# Altium PCB MB1635.PcbDoc (part 7 of 10)
Units mm, origin at the board's own origin, x right, y up, seen from the top; angles counter-clockwise.
Board outline 127 x 97 mm, 6 copper layers (Top Layer, Signal Layer 1, Signal Layer 2, Signal Layer 3, Signal Layer 4, Bottom Layer), stack 1.557 mm thick; 593 components, 478 nets, 2435 pads, 1743 vias.
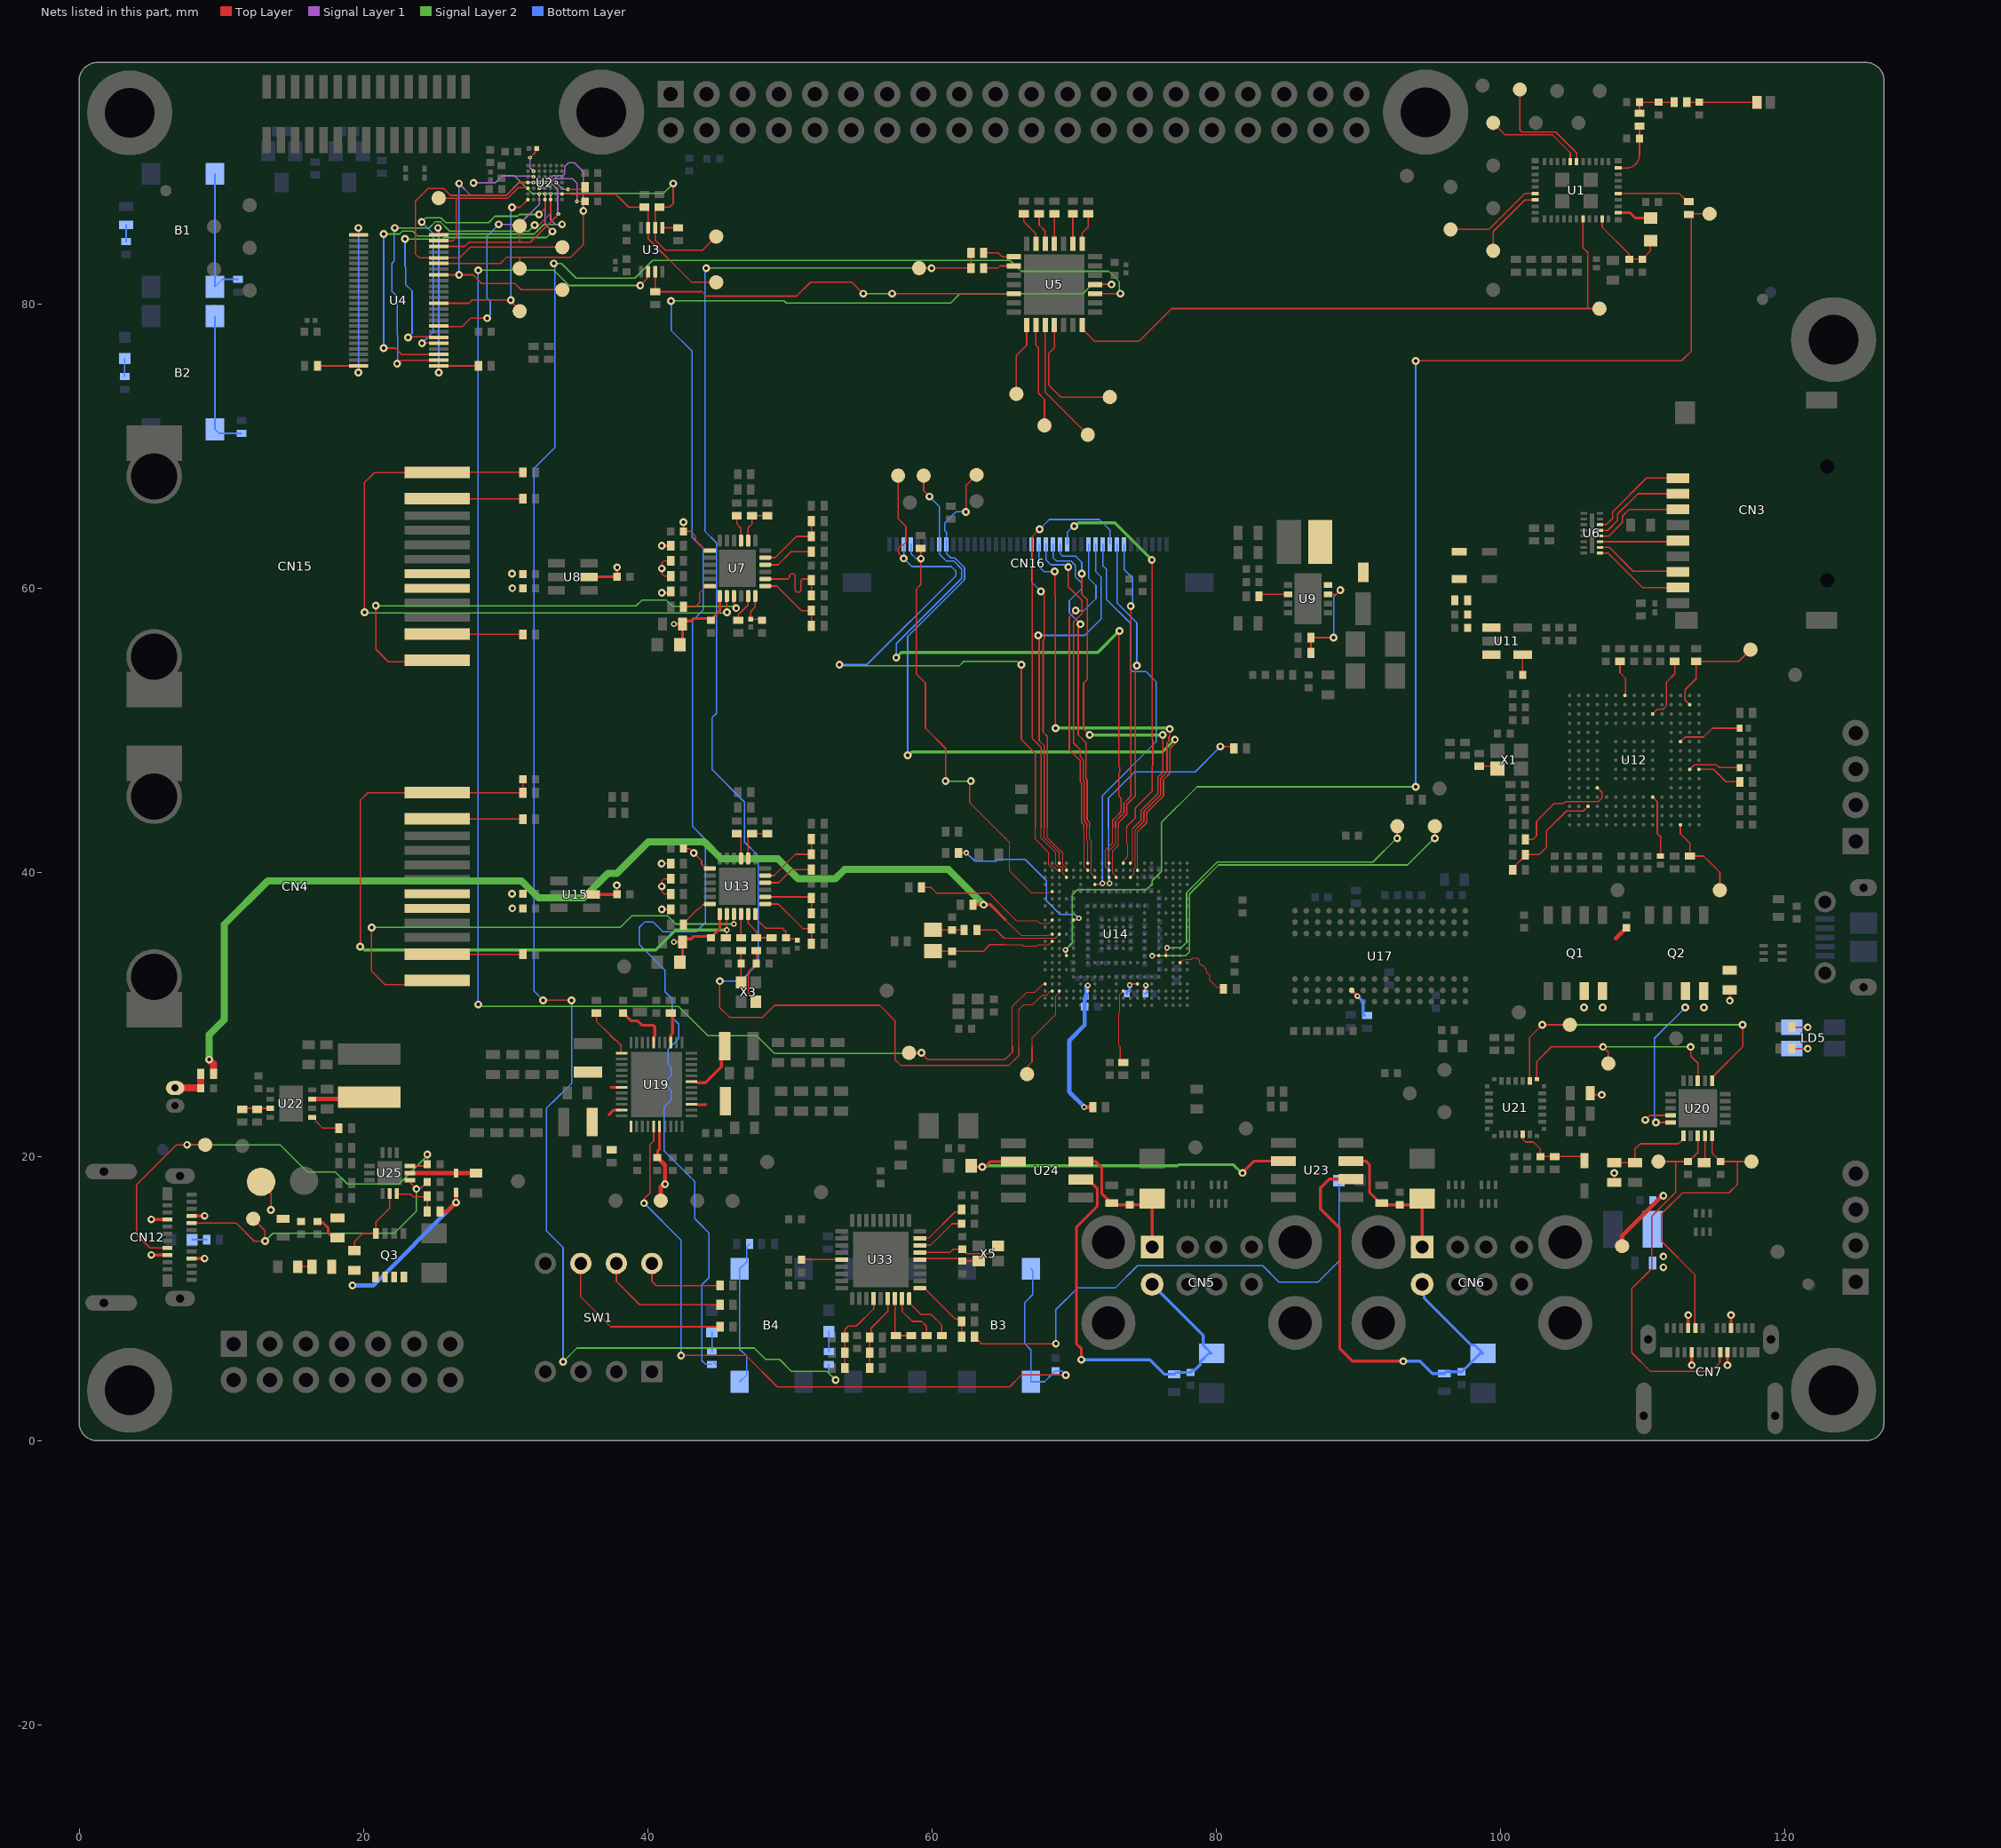
[diagram p11: the nets of this part, all layers, seen from the top]

## Via types
v1: diameter 0.55, hole 0.25, Top Layer to Bottom Layer, 1438 vias
v2: diameter 0.4, hole 0.2, Top Layer to Bottom Layer, 276 vias
v3: diameter 0.26, hole 0.1, Top Layer to Signal Layer 1, tented both sides, 29 vias

## Nets (pads, with @x,y where several pads share a name; then routed paths per layer and width w, separated by ;. In a path a pad name is that pad's centre, name@x,y a point inside that pad or via, vN(x,y) a via of type N, cw(c..) or ccw(c..) an arc to the next point about the centre after c; other vN are vias at no path point) (continued)
LCD_G2: CN16.15 U14.A12 | length 30.4
  Top Layer w0.075: U14.A12@73.475,40.65 73.475,40.775 73.795,41.095 73.795,41.955 73.725,42.025 73.725,43.125
  Top Layer w0.1: 73.725,43.125 73.725,43.249 74.325,43.849 74.325,44.538 75.5,45.713 75.5,47.497 75.55,47.547 75.55,49.33 75.5,49.38 75.5,61.975 v1(75.475,62)
  Signal Layer 2 w0.219: v1(70.025,64.375) 70.094,64.375 70.319,64.6 72.875,64.6 v1(75.475,62)
  Bottom Layer w0.1: CN16.15@69.525,63.1 69.525,63.928 69.972,64.375 v1(70.025,64.375)
LCD_G3: CN16.16 U14.A13 | length 30.2
  Top Layer w0.075: U14.A13@73.975,40.65 74.135,40.81 74.135,43.086 74.174,43.125
  Top Layer w0.1: v1(70.55,61.025) 70.55,59.576 70.937,59.189 70.937,53.587 70.675,53.325 70.675,50.1 v1(71.1,49.675) ; 74.174,43.125 74.25,43.201 74.25,43.208 74.725,43.683 74.725,44.372 75.9,45.547 75.9,46.691 76.25,47.041 v1(76.25,49.675)
  Signal Layer 2 w0.219: v1(71.1,49.675) v1(76.25,49.675)
  Bottom Layer w0.1: CN16.16@69.025,63.1 69.025,62.434 69.2,62.259 70.115,62.259 70.55,61.825 v1(70.55,61.025)
LCD_G4: CN16.17 U14.C8 | length 26.1
  Top Layer w0.075: 71.1,43.125 71.1,42.35 71.221,42.229 71.221,40.752 71.221,40.048 71.221,39.904 U14.C8@71.475,39.65
  Top Layer w0.1: v1(70.45,57.475) 70.45,57.416 70.3,57.266 70.3,49.675 70.853,49.122 70.853,49.06 70.85,49.058 70.85,46.566 70.925,46.491 70.925,43.699 71.1,43.524 71.1,43.125
  Bottom Layer w0.1: CN16.17@68.525,63.1 68.525,62.15 68.75,61.925 69.776,61.925 70.1,61.601 70.1,60.807 70.55,60.357 70.55,59.992 69.675,59.117 69.675,58.25 v1(70.45,57.475)
LCD_G5: CN16.18 U14.A7 | length 24.8
  Top Layer w0.075: 70.9,43.125 70.9,42.225 70.975,42.15 U14.A7@70.975,40.65
  Top Layer w0.1: v1(69.6,61.5) 69.6,60.105 70.575,59.13 70.575,58.225 69.975,57.625 69.975,49.1 70.45,48.625 70.45,48.133 70.65,47.933 70.65,46.483 70.725,46.408 70.725,43.616 70.9,43.441 70.9,43.125
  Bottom Layer w0.1: CN16.18@68.025,63.1 68.025,62 68.375,61.65 69.328,61.65 69.478,61.5 v1(69.6,61.5)
LCD_G6: CN16.19 U14.C13 | length 33.6
  Top Layer w0.075: U14.C13@73.975,39.65 74.221,39.897 74.221,40.296 74.305,40.38 74.305,42.98 74.45,43.125
  Top Layer w0.1: v1(68.65,61.175) 68.65,59.53 68.7,59.48 v1(68.7,50.15) ; 74.45,43.125 74.925,43.6 74.925,44.289 76.1,45.464 76.1,46.608 76.55,47.058 76.55,49.1 76.675,49.225 76.675,49.526 76.744,49.595 v1(76.744,50.1)
  Signal Layer 2 w0.219: v1(68.7,50.15) 68.725,50.175 76.58,50.175 76.655,50.1 v1(76.744,50.1)
  Bottom Layer w0.1: CN16.19@67.525,63.1 67.525,61.53 67.88,61.175 v1(68.65,61.175)
LCD_G7: CN16.20 U14.B4 | length 24.1
  Top Layer w0.075: 68.125,43.125 68.125,42.46 69.225,41.36 69.225,40.55 69.464,40.311 69.464,40.161 U14.B4@69.475,40.15
  Top Layer w0.1: v1@67.655,59.795 67.655,59.74 67.903,59.491 67.903,56.43 67.828,56.355 67.828,49.872 68.125,49.575 68.125,43.125
  Bottom Layer w0.1: CN16.20@67.025,63.1 67.025,60.425 v1(67.675,59.775)
LCD_HSYNC: CN16.32 TP43.1 U14.B14 | length 53
  Top Layer w0.075: U14.B14@74.475,40.15 74.475,42.85 74.75,43.125
  Top Layer w0.1: v1(62.4,65.375) 62.4,67.23 TP43.1@63.145,67.975 ; 74.75,43.125 75.125,43.5 75.125,44.206 76.3,45.381 76.3,46.525 76.75,46.975 76.75,48.7 77.1,49.05 v1(77.1,49.35)
  Signal Layer 2 w0.219: v1(58.3,48.25) 58.369,48.25 58.594,48.475 76.225,48.475 v1(77.1,49.35)
  Bottom Layer w0.1: v1(58.3,48.25) 58.3,56.6 62.3,60.6 62.3,61.441 61.616,62.125 61.34,62.125 61.025,62.44 CN16.32@61.025,63.1 61.025,63.949 60.9,64.074 60.9,64.565 61.71,65.375 v1(62.4,65.375)
LCD_INT: CN16.38 TP42.1 U14.B3 | length 51.5
  Top Layer w0.075: 67.275,43.125 67.275,42.348 68.225,41.398 68.225,40.55 68.35,40.425 68.351,40.425 68.373,40.404 68.571,40.404 68.825,40.15 U14.B3@68.975,40.15
  Top Layer w0.1: TP42.1@57.625,67.925 57.625,64.904 58.175,64.353 58.175,63.225 57.955,63.005 57.855,63.005 57.65,62.8 57.671,62.779 57.671,62.454 v1(58.025,62.1) ; v1(66.3,54.625) 66.3,49.35 67.278,48.372 67.278,43.343 67.275,43.34 67.275,43.125
  Signal Layer 2 w0.1: v1(53.5,54.625) 53.575,54.55 61.95,54.55 62.25,54.85 66.016,54.85 66.241,54.625 v1(66.3,54.625)
  Bottom Layer w0.1: v1(53.5,54.625) 55.442,54.625 61.7,60.883 61.7,61.192 61.367,61.525 58.6,61.525 v1(58.025,62.1) CN16.38@58.025,63.1
LCD_R2: CN16.7 U14.A10 | length 23.4
  Top Layer w0.075: U14.A10@72.475,40.65 72.475,41.55 72.925,42 72.925,43.125
  Top Layer w0.1: 72.925,43.125 72.925,43.58 73.32,43.975 73.32,43.98 73.52,44.18 73.52,44.864 74,45.344 v1(74,58.75)
  Bottom Layer w0.1: CN16.7@73.525,63.1 73.525,61.325 74.125,60.725 74.125,58.997 74,58.872 v1(74,58.75)
LCD_R3: CN16.8 U14.C11 | length 24.8
  Top Layer w0.075: U14.C11@72.975,39.65 72.975,39.681 72.721,39.935 72.721,41.521 73.125,41.925 73.125,43.125
  Top Layer w0.1: 73.125,43.125 73.125,43.497 73.725,44.097 73.725,44.786 74.325,45.386 74.325,54.266 74.339,54.28 74.339,54.464 v1(74.425,54.55)
  Bottom Layer w0.1: CN16.8@73.025,63.1 73.025,58.973 74.425,57.573 v1(74.425,54.55)
LCD_R4: CN16.9 U14.C4 | length 32.4
  Top Layer w0.075: 67.675,43.125 67.675,42.429 68.725,41.379 68.725,40.525 68.85,40.4 69.1,40.4 69.225,40.275 69.225,39.9 U14.C4@69.475,39.65
  Top Layer w0.1: v1(67.579,64.147) 67.053,63.621 67.053,49.447 67.678,48.822 67.678,43.177 67.675,43.174 67.675,43.125
  Bottom Layer w0.1: v1(67.579,64.147) 68.268,64.836 71.794,64.836 72.525,64.105 CN16.9@72.525,63.1
LCD_R5: CN16.10 U14.D8 | length 28
  Top Layer w0.09: U14.D8@71.475,39.15 v2@71.95,39.15
  Bottom Layer w0.09: v2(72,39.225) 72,43.125
  Bottom Layer w0.1: 72,43.125 72,45.4 75.775,49.175 75.775,53.425 75.075,54.125 74.13,54.125 74,54.255 74,57.5 72.275,59.225 72.275,61.355 72.025,61.605 CN16.10@72.025,63.1
LCD_R6: CN16.11 U14.A3 | length 26.9
  Top Layer w0.075: 67.9,43.125 67.9,42.444 68.975,41.369 U14.A3@68.975,40.65
  Top Layer w0.1: v1@67.55,56.6 67.55,49.275 67.9,48.925 67.9,43.125
  Bottom Layer w0.1: v1(67.478,56.678) 70.753,56.678 71.9,57.825 71.9,60.802 71.525,61.177 CN16.11@71.525,63.1
LCD_R7: CN16.12 U14.B7 | length 24.8
  Top Layer w0.075: 70.7,43.125 70.7,43 70.725,42.975 70.725,40.4 U14.B7@70.975,40.15
  Top Layer w0.1: v1(70.125,58.425) 69.675,57.975 69.675,48.625 70.45,47.85 70.45,46.348 70.525,46.273 70.525,43.533 70.7,43.358 70.7,43.125
  Bottom Layer w0.1: v1(70.125,58.425) 70.7,58.425 71.55,59.275 71.55,60.18 71.025,60.705 CN16.12@71.025,63.1
LCD_RST: CN16.37 R58.1 U14.E2 | length 31.9
  Top Layer w0.075: 65.175,42.4 65.46,42.115 65.46,40.115 67.009,38.566 68.222,38.566 68.305,38.649 68.474,38.649 U14.E2@68.475,38.65
  Top Layer w0.1: R58.1@59.2,62.8 59.225,62.775 v1(59.225,62.075) 59.225,60.25 58.9,59.925 58.9,53.975 59.55,53.325 59.55,50.15 60.971,48.729 v1(60.971,46.425) ; v1(62.75,46.425) 62.664,46.339 62.664,46.155 62.65,46.141 62.65,44.925 65.175,42.4
  Signal Layer 2 w0.1: v1(60.971,46.425) v1(62.75,46.425)
  Bottom Layer w0.1: CN16.37@58.525,63.1 58.525,62.451 58.862,62.114 59.186,62.114 v1(59.225,62.075)
LCD_VSYNC: CN16.33 TP37.1 U14.B10 | length 50.2
  Top Layer w0.075: U14.B10@72.475,40.15 72.225,40.4 72.225,41.575 72.725,42.075 72.725,43.125
  Top Layer w0.1: TP37.1@59.425,67.925 59.425,66.85 v1(59.825,66.45) ; 72.725,43.125 72.725,43.663 72.963,43.9 72.963,43.905 73.32,44.262 73.32,45.205 73.15,45.375 73.15,46.974 73.225,47.049 73.225,47.401 73.15,47.476 73.15,56.95 v1(73.2,57)
  Signal Layer 2 w0.219: v1(57.5,55.125) 57.846,55.471 71.671,55.471 v1(73.2,57)
  Bottom Layer w0.1: v1(57.5,55.125) 57.5,56.1 62.1,60.7 62.1,61.358 61.533,61.925 61.009,61.925 60.525,62.409 CN16.33@60.525,63.1 60.525,65.75 v1(59.825,66.45)
LED_G: R183.1 U5.3 | length 147.3
  Top Layer w0.1: v1(32.65,31) v1(34.65,31) ; U5.3@71.475,80.725 v1(73.275,80.725)
  Signal Layer 2 w0.1: v1(33.4,82.85) 33.95,82.85 34.975,81.825 39.105,81.825 40.355,83.075 65.5,83.075 66.275,82.3 72.45,82.3 73.2,81.55 73.2,80.8 v1(73.275,80.725) ; v1(34.05,5.55) 35.025,6.525 47.5,6.525 48.3,5.725 49.283,5.725 50.133,4.875 52.634,4.875 53.225,4.284 v1(53.225,4.275)
  Bottom Layer w0.1: v1(32.65,31) 32,31.65 32,68.425 33.475,69.9 33.475,82.775 v1(33.4,82.85) ; v1(34.05,5.55) 34.05,13.6 32.875,14.775 32.875,23.4 33.3,23.825 33.326,23.825 34.65,25.149 v1(34.65,31) ; R183.1@52.75,5.375 52.75,4.75 v1(53.225,4.275)
LED_Y: R184.1 U5.4 | length 118.5
  Top Layer w0.1: U5.4@71.475,81.375 v1(72.65,81.375)
  Signal Layer 2 w0.1: v1(41.65,80.2) 41.675,80.225 49.6,80.225 49.75,80.075 61.325,80.075 61.975,80.725 70.625,80.725 71.275,81.375 v1(72.65,81.375)
  Bottom Layer w0.1: v1(41.65,80.2) 41.65,78.15 43.125,76.675 43.125,63.6 43.905,62.82 43.905,58.455 43.15,57.7 43.15,43.25 44.075,42.325 44.075,36.476 43.419,35.82 41.08,35.82 40.38,36.52 39.8,36.52 39.41,36.13 39.41,35.914 39.4,35.904 39.4,34.949 41.227,33.122 41.227,31.601 41.725,31.103 41.725,29.8 42.2,29.325 42.2,28.3 41.45,27.55 41.45,26.5 41.65,26.3 41.65,25.7 41.375,25.425 41.375,24.925 41.65,24.65 41.65,23.975 41.15,23.475 41.15,20.425 43.075,18.5 ; 43.076,18.5 43.325,18.251 43.325,15.627 43.625,15.327 43.625,15.325 44.325,14.625 44.325,11.475 43.825,10.975 43.825,5.642 44.084,5.383 44.517,5.383 R184.1@44.525,5.375 ; R184.1@44.662,5.513 R184.1@44.8,5.375
LPO_32: R190.1 TP15.1 U14.P4 | length 94.6
  Top Layer w0.09: v2@69.45,34.55 69.45,34.175 U14.P4@69.475,34.15
  Top Layer w0.1: v1(94.05,76) 112.75,76 113.45,76.7 113.45,86.125 113.363,86.212 113.5,86.35 TP15.1@114.725,86.35
  Signal Layer 2 w0.09: v2(69.4,34.55) 69.875,35.025 69.875,38.4 70.25,38.775 75.1,38.775 75.5,39.175 75.5,39.425 76.15,40.075 76.15,43.125
  Signal Layer 2 w0.1: 76.15,43.125 76.15,43.5 78.675,46.025 v1(94.05,46.025)
  Bottom Layer w0.1: v1(94.05,46.025) v1(94.05,76)
MCO1: TP54.1 U3.2 U14.V1 | length 111.2
  Top Layer w0.075: 65.675,27.725 65.675,30.575 66.675,31.575 67.261,31.575 67.813,32.127 67.952,32.127 U14.V1@67.975,32.15
  Top Layer w0.1: v1(39.475,81.3) 39.959,81.784 39.959,82.184 U3.2@40.04,82.265 ; TP54.1@58.4,27.3 v1(59.275,27.3) ; v1@59.225,27.3 59.7,26.825 65.15,26.825 65.675,27.35 65.675,27.725
  Signal Layer 2 w0.1: v1(28.076,30.701) 28.076,30.699 28.2,30.575 42.175,30.575 44.25,28.5 47.7,28.5 48.95,27.25 59.175,27.25 v1@59.225,27.3 ; v1(28.076,82.379) 33.396,82.379 34.475,81.3 v1(39.475,81.3)
  Bottom Layer w0.1: v1(28.076,30.701) 28.076,82.301 v1(28.076,82.379)
MCP_INT: R12.1 R19.1 TP23.1 U14.W2 | length 107.9
  Top Layer w0.075: 66.125,27.725 66.125,30.35 66.475,30.7 67.103,30.7 67.8,31.397 68.097,31.397 68.327,31.627 68.452,31.627 U14.W2@68.475,31.65
  Top Layer w0.1: v1(45.075,32.35) 45.075,30.5 45.775,29.8 48.1,29.8 48.95,30.65 56.325,30.65 57.4,29.575 57.4,26.825 57.8,26.425 65.425,26.425 66.125,27.125 66.125,27.725 ; TP23.1@59.1,82.525 v1(59.975,82.525) R19.1@62.75,82.525 R12.1@62.75,83.6
  Signal Layer 2 w0.1: v1(44.125,82.525) v1(59.975,82.525)
  Bottom Layer w0.1: v1(44.125,82.525) 44.039,82.439 44.039,82.255 44.025,82.241 44.025,64.025 44.85,63.2 44.85,51.2 44.525,50.875 44.525,47.25 46.825,44.95 46.825,42.125 47.775,41.175 47.775,33.55 46.575,32.35 v1(45.075,32.35)
MCP_IO2: R13.2 U3.3 U5.19 | length 27.5
  Top Layer w0.1: U3.3@40.54,82.265 R13.2@40.54,80.865 43.835,80.865 44.15,80.55 50.475,80.55 51.467,81.542 54.358,81.542 v1(55.175,80.725) ; v1(57.2,80.725) U5.19@65.775,80.725
  Signal Layer 2 w0.1: v1(55.175,80.725) v1(57.2,80.725)
MCP_IO11: TP30.1 U1.28 U5.28 | length 44.4
  Top Layer w0.1: U5.28@70.575,78.525 70.575,78.25 71.45,77.375 74.575,77.375 76.875,79.675 106.15,79.675 ; U1.28@105.825,85.975 105.825,83.95 106.15,83.625 106.15,79.675 ; TP30.1@106.975,79.675 106.15,79.675
NetB1_3: B1.3 B1.4 R173.1 | length 9.8
  Bottom Layer w0.1: B1.3@9.555,89.163 B1.4@9.555,81.213 10.08,81.738 R173.1@11.18,81.738
NetB2_3: B2.3 B2.4 R175.1 | length 9.9
  Bottom Layer w0.1: B2.3@9.555,79.138 B2.4@9.555,71.188 9.843,70.9 R175.1@11.425,70.9
NetB3_3: B3.3 B3.4 C228.2 U19.17 | length 57.1
  Top Layer w0.1: v1(39.75,16.725) 39.75,17.025 40.15,17.425 40.15,20.825 40.425,21.1 U19.17@40.425,22.125 ; v1(42.35,6) 46.925,6 49.125,3.8 65.475,3.8 66.3,4.625 v1(69.425,4.625)
  Bottom Layer w0.1: v1(39.75,16.725) 42.35,14.125 v1(42.35,6) ; B3.3@66.975,12.1 67.1,11.975 67.1,10.284 66.543,9.728 66.543,6.825 66.975,6.393 B3.4@66.975,4.15 67.925,4.15 68.47,4.695 68.47,4.72 68.675,4.925 C228.2@68.7,4.925 69.125,4.925 v1(69.425,4.625)
NetB4_3: B4.3 B4.4 R182.1 | length 10.4
  Bottom Layer w0.1: B4.3@46.475,4.15 46.983,4.658 46.983,5.942 46.475,6.45 B4.4@46.475,12.1 46.982,12.607 46.982,13.657 R182.1@47.175,13.85
NetC1_2: C1.2 C2.2 R1.2 R2.1 | length 3.2
  Top Layer w0.1: R2.1@109.8,93.425 C1.2@109.8,94.2 R1.2@112.225,94.2
NetC3_2: C3.2 L1.1 R1.1 | length 4.9
  Top Layer w0.1: R1.1@113.125,94.2 C3.2@114,94.2 L1.1@118.05,94.2
NetC4_2: C4.2 R2.2 U1.41 | length 4.1
  Top Layer w0.1: U1.41@108.3,89.575 108.888,89.575 ccw(c108.888,90.487) 109.8,90.487 C4.2@109.8,91.65 R2.2@109.8,92.525
NetC5_2: C5.2 U2.F2 | length 1.9
  Top Layer w0.1: v3(31.725,90.3) 32.125,90.7 32.125,90.875 C5.2@32.2,90.95
  Signal Layer 1 w0.1: v3(31.725,90.3) 31.725,89.6 v3(31.975,89.35)
NetC14_2: C14.2 U2.D4 | length 4.4
  Top Layer w0.1: v3(35.025,87.225) C14.2@35.6,87.225
  Signal Layer 1 w0.1: v3(32.775,88.55) 32.818,88.55 32.898,88.63 33.25,88.63 33.45,88.83 34.7,88.83 35.025,88.505 v3(35.025,87.225)
NetC20_2: C20.2 C21.2 L2.2 U1.31 | length 6.1
  Top Layer w0.1: U1.31@107.175,85.975 107.175,85.4 109.075,83.5 C20.2@109.075,83.15 C21.2@110,83.15 110,83.175 110.575,83.75 L2.2@110.575,84.45
NetC28_2: C28.2 C32.2 C33.1 C35.2 C37.2 C39.1 CN15.5 CN15.6 L4.1 R37.2 R39.2 R40.2 R42.2 U7.1 U7.19 U8.5 | length 15.5
  Top Layer w0.1: R40.2@41.625,60.85 41.175,60.85 41,61.025 v1(41,61.388) 41,61.775 41.15,61.925 R39.2@41.625,61.925 ; v1(42.525,64.65) C28.2@42.525,64 43.025,64 43.375,63.65 43.375,63.35 44.075,62.65 U7.19@44.375,62.65
  Top Layer w0.2: U8.5@35.875,60.8 C33.1@37.85,60.8 v1(37.85,61.475) ; v1(41,59.675) 41.525,59.675 R42.2@41.625,59.775 ; v1(41,63) R37.2@41.625,63 ; v2(41.85,57.475) C39.1@42.45,57.475 ; L4.1@42.275,56.05 42.45,56.225 C39.1@42.45,57.475 ; U7.1@45.075,59.45 45.075,58.4 44.45,57.775 44.35,57.875 43.25,57.875 43.075,57.7 42.675,57.7 C39.1@42.45,57.475
  other v1: 30.475,60.005 30.45,61.03
NetC36_1: C36.1 C41.2 R45.2 U11.1 U11.3
NetC38_2: C38.2 C40.2 U7.6 | length 2.6
  Top Layer w0.1: U7.6@47.575,59.45 47.575,58.675 47.25,58.35 C40.2@47.25,57.825 47.975,57.825 C38.2@48.05,57.75
NetC55_2: C55.2 U11.4 | length 1.4
  Top Layer w0.1: C55.2@101.575,53.9 U11.4@101.575,55.325
NetC60_2: C60.2 U12.F13 | length 4.6
  Top Layer w0.1: U12.F13@112.675,49.2 113,49.525 114.3,49.525 114.925,50.15 C60.2@116.85,50.15
NetC64_2: C64.2 U12.J14 | length 3.7
  Top Layer w0.1: U12.J14@113.325,47.25 113.65,47.575 115.2,47.575 115.4,47.375 C64.2@116.85,47.375
NetC71_2: C71.2 C80.2 C81.1 C85.2 C89.2 C91.1 CN4.5 CN4.6 L5.1 R92.2 R95.2 R97.2 R99.2 U13.1 U13.19 U15.5 | length 14.7
  Top Layer w0.1: v1(40.975,40.625) R92.2@41.625,40.625 ; v1(41,37.4) R99.2@41.625,37.4 ; R97.2@41.625,38.475 41.175,38.475 41,38.65 v1(41,39.013) 41,39.4 41.15,39.55 R95.2@41.625,39.55 ; C71.2@42.525,41.675 42.95,41.675 v1(43.25,41.375) 43.8,40.825 43.8,40.575 44.1,40.275 U13.19@44.375,40.275
  Top Layer w0.2: U15.5@36.05,38.45 C81.1@37.85,38.45 37.825,38.475 v1(37.825,39.1) ; v2(41.85,35.1) C91.1@42.45,35.1 ; L5.1@42.275,33.675 42.45,33.85 C91.1@42.45,35.1 ; U13.1@45.075,37.075 45.075,36.025 C89.2@44.45,35.4 44.35,35.5 43.25,35.5 43.075,35.325 42.675,35.325 C91.1@42.45,35.1
  other v1: 30.475,37.475 30.45,38.5
NetC73_2: C73.2 U12.M10 | length 4.4
  Top Layer w0.1: U12.M10@110.725,45.3 111.05,44.975 111.05,42.725 111.275,42.5 C73.2@111.275,41.15
NetC83_2: C83.2 CN11.1 R191.2 | length 2.8
  Top Layer w0.5: CN11.1@6.75,24.825 8.545,24.825 C83.2@8.55,24.82 ; C83.2@8.55,24.8 C83.2@8.55,24.82 ; R191.2@8.55,25.825 C83.2@8.55,24.82
NetC87_2: C87.2 Q1.7 Q1.8 Q2.7 Q2.8 R111.2 U20.10 | length 11.1
  Top Layer w0.1: v1(110.95,22.4) U20.10@111.975,22.4
  Top Layer w0.3: 108.15,35.375 C87.2@108.875,36.1
  Bottom Layer w0.1: v1(110.95,22.4) 110.864,22.486 110.864,22.67 110.85,22.684 110.85,28.325 v1(113.025,30.5)
  other v1: 105.9,30.5 107.2,30.5 114.325,30.5
NetC88_1: C88.1 R103.2 X2.1 | length 2.2
  Top Layer w0.1: X2.1@60.075,35.95 C88.1@61.425,35.95 R103.2@62.275,35.95
NetC90_2: C90.2 C92.2 U13.6 | length 4.1
  Top Layer w0.1: U13.6@47.575,37.075 47.575,36.8 48.3,36.075 49.475,36.075 49.725,35.825 C90.2@49.725,35.4 49.8,35.325 50.425,35.325 C92.2@50.525,35.225
NetC93_1: C93.1 U14.M2 X2.2 | length 8.8
  Top Layer w0.075: 65.175,34.9 66.369,34.9 66.45,34.819 67.394,34.819 67.475,34.9 68.225,34.9 U14.M2@68.475,35.15
  Top Layer w0.09: 63.85,34.675 64.075,34.9 65.175,34.9
  Top Layer w0.1: X2.2@60.075,34.45 C93.1@61.425,34.45 63.625,34.45 63.85,34.675
NetC95_2: C95.2 R105.1 X3.3 | length 2.3
  Top Layer w0.1: X3.3@46.575,32.25 C95.2@46.575,33.6 R105.1@46.575,34.5
NetC96_2: C96.2 R106.1 X3.1 | length 4.1
  Top Layer w0.1: X3.1@47.625,30.975 X3.1@47.625,30.9 47.3,31.225 47.3,31.3 47.1,31.5 47.1,33.025 47.65,33.575 C96.2@47.65,33.6 R106.1@47.65,34.5
NetC99_1: C99.1 U19.40 | length 3.8
  Top Layer w0.2: C99.1@38.275,30.1 38.3,30.1 38.85,29.55 39.3,29.55 39.599,29.251 40.383,29.251 40.5,29.134 40.5,28.498 40.425,28.423 U19.40@40.425,28.025
NetC136_2: C136.2 C152.2 CN5.T1 U24.7 U30.1 | length 11
  Top Layer w0.2: U24.7@70.475,19.66 71.515,19.66 71.95,19.225 71.95,17.425 U30.1@72.65,16.725 72.775,16.6 C152.2@73.925,16.6 75.05,16.6 C136.2@75.5,17.05 CN5.T1@75.5,13.63
NetC137_2: C137.2 C153.2 CN6.T1 U23.7 U31.1 | length 11.1
  Top Layer w0.2: U23.7@89.475,19.685 90.54,19.685 90.8,19.425 90.8,17.475 91.55,16.725 U31.1@91.65,16.725 91.775,16.6 C153.2@92.925,16.6 94.05,16.6 C137.2@94.5,17.05 CN6.T1@94.5,13.63
NetC140_2: C140.2 D4.1 R141.1 U21.5 | length 5.8
  Top Layer w0.1: U21.5@101.575,21.575 101.575,21.225 101.775,21.025 102.325,21.025 102.825,20.525 C140.2@102.825,20 R141.1@103.825,20 105.925,20 D4.1@105.925,19.72
NetC142_2: C142.2 TP70.1 U19.18 | length 5.8
  Top Layer w0.2: C142.2@40.7,19.925 40.7,20.375 40.825,20.5 U19.18@40.825,22.125
  Top Layer w0.3: C142.2@40.825,19.925 40.7,19.925 41.225,19.4 41.225,18.235 41.252,18.208 41.225,18.182 v1(41.225,18.052) 41.102,18.052 40.925,17.875 TP70.1@40.925,16.9
NetC147_2: C147.2 CN7.B5 TP64.1 U20.13 | length 26.7
  Top Layer w0.1: TP64.1@111.125,19.65 112.35,19.65 ; 111.625,16.775 110.65,15.8 110.65,12.109 109.25,10.709 109.25,6.2 110.575,4.875 114.825,4.875 115.45,5.5 115.45,6.21 CN7.B5@115.475,6.235 ; 111.626,16.775 112.35,17.499 112.35,19.65 ; U20.13@113.9,21.475 113.9,20.3 113.25,19.65 C147.2@113.2,19.65 112.35,19.65
NetC148_2: C148.2 CN7.A5 TP65.1 U20.15 | length 21.1
  Top Layer w0.1: CN7.A5@113.725,7.935 113.7,7.96 113.7,11.688 111.35,14.038 111.35,15.975 112.825,17.45 116.1,17.45 116.675,18.025 116.675,19.65 ; U20.15@114.9,21.475 114.9,20.25 C148.2@115.5,19.65 116.675,19.65 ; TP65.1@117.675,19.65 116.675,19.65
NetC149_2: C149.2 U20.14 | length 1.9
  Top Layer w0.1: C149.2@114.35,19.575 114.4,19.625 U20.14@114.4,21.475